# Altium PCB S6.PcbDoc (part 14 of 14)
Units mil, origin at the board's own origin, x right, y up, seen from the top; angles counter-clockwise.
Board outline 5250 x 2929.55 mil, 6 copper layers (Top Layer, Mid-Layer 2, Mid-Layer 4, Mid-Layer 3, Mid-Layer 1, Bottom Layer); 345 components, 365 nets, 2233 pads, 960 vias.
Unrouted connection lines stored in the file: 1.
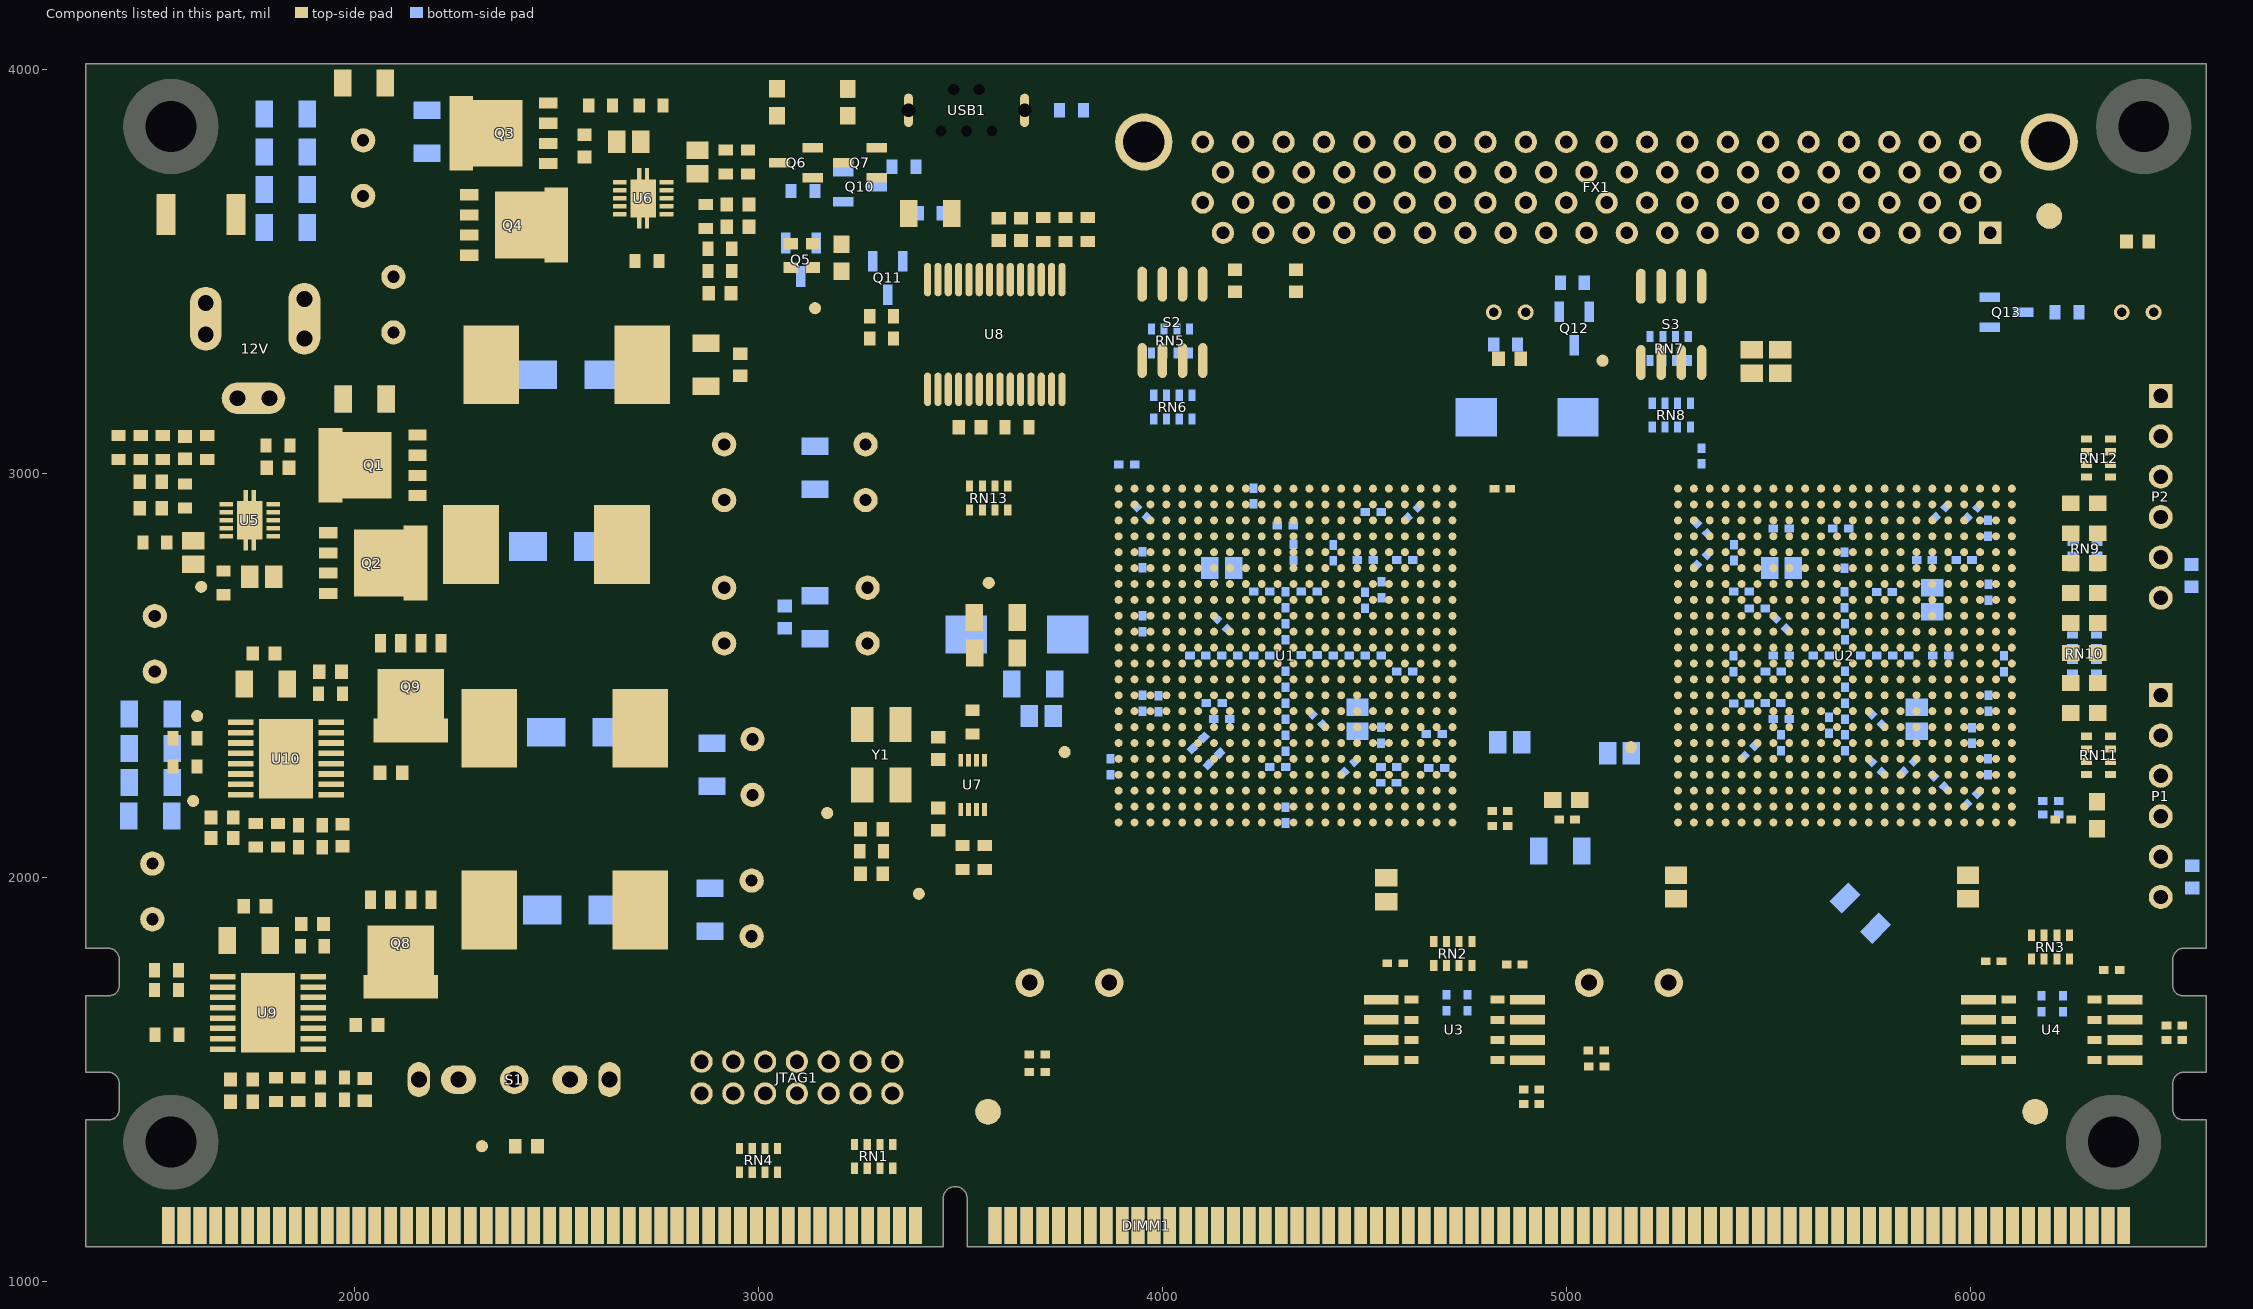
[diagram p18: the components of this part, seen from the top]

## Via types
v1: diameter 19.68, hole 11.81, Top Layer to Bottom Layer, tented both sides, 469 vias
v2: diameter 32, hole 18, Top Layer to Bottom Layer, tented both sides, 257 vias
v3: diameter 22, hole 12, Top Layer to Bottom Layer, tented both sides, 185 vias
v4: diameter 25.59, hole 12.99, Top Layer to Bottom Layer, tented bottom, 16 vias
v5: diameter 50, hole 28, Top Layer to Bottom Layer, tented both sides, 15 vias
v6: diameter 23.62, hole 11.81, Top Layer to Bottom Layer, tented bottom, 10 vias
v7: diameter 20, hole 12, Top Layer to Bottom Layer, tented both sides, 5 vias
v8: diameter 21.65, hole 11.81, Top Layer to Bottom Layer, tented both sides, 2 vias
v9: diameter 39.37, hole 39.37, Top Layer to Bottom Layer, 1 vias

## Nets (pads, with @x,y where several pads share a name; then routed paths per layer and width w, separated by ;. In a path a pad name is that pad's centre, name@x,y a point inside that pad or via, vN(x,y) a via of type N, cw(c..) or ccw(c..) an arc to the next point about the centre after c; other vN are vias at no path point) (continued)
pads on no net: FX1.37 JTAG1.12 JTAG1.14 M2.0 M3.0 M4.0 M6.0 M7.0 M8.0 S1.3 S1.4 S1.5 U1.A2 U1.A10 U1.A14 U1.A15 U1.AA21 U1.AB17 U1.AB19 U1.AB21 U1.B3 U1.B10 U1.B14 U1.B16 U1.B20 U1.C1 U1.C3 U1.C4 U1.C10 U1.C12 U1.C14 U1.C15 U1.C16 U1.C17 U1.C19 U1.D3 U1.D5 U1.D7 U1.D8 U1.D9 U1.D10 U1.D11 U1.D12 U1.D13 U1.D14 U1.D15 U1.D17 U1.E3 U1.E4 U1.E5 U1.E6 U1.E8 U1.E10 U1.E12 U1.E14 U1.E16 U1.F2 U1.F3 U1.F5 U1.F7 U1.F8 U1.F9 U1.F10 U1.F12 U1.F13 U1.F14 U1.F15 U1.F16 U1.F17 U1.F18 U1.F19 U1.G3 U1.G4 U1.G6 U1.G7 U1.G8 U1.G9 U1.G11 U1.G13 U1.G16 U1.G17 U1.H2 U1.H3 U1.H4 U1.H5 U1.H6 U1.H8 U1.H10 U1.H11 U1.H12 U1.H13 U1.H14 U1.H16 U1.H17 U1.H18 U1.H19 U1.J3 U1.J4 U1.J6 U1.J7 U1.J16 U1.J17 U1.K1 U1.K2 U1.K3 U1.K4 U1.K5 U1.K6 U1.K7 U1.K8 U1.K16 U1.K17 U1.K18 U1.L1 U1.L3 U1.L4 U1.L6 U1.L15 U1.L17 U1.M1 U1.M2 U1.M3 U1.M4 U1.M5 U1.M6 U1.M7 U1.M8 U1.M16 U1.M17 U1.M18 U1.M19 U1.N1 U1.N3 U1.N4 U1.N6 U1.N7 U1.N16 U1.N19 U1.P1 U1.P2 U1.P3 U1.P4 U1.P5 U1.P6 U1.P7 U1.P8 U1.P15 U1.P16 U1.P17 U1.P18 U1.R1 U1.R3 U1.R4 U1.R7 U1.R8 U1.R9 U1.R11 U1.R13 U1.R15 U1.R16 U1.R17 U1.R19 U1.T1 U1.T2 U1.T3 U1.T4 U1.T7 U1.T8 U1.T10 U1.T11 U1.T12 U1.T14 U1.T15 U1.T16 U1.T17 U1.T18 U1.T19 U1.T20 U1.U1 U1.U3 U1.U4 U1.U6 U1.U8 U1.U9 U1.U10 U1.U12 U1.U16 U1.U17 U1.U19 U1.V1 U1.V2 U1.V3 U1.V5 U1.V7 U1.V9 U1.V11 U1.V13 U1.V15 U1.V17 U1.V18 U1.V19 U1.V20 U1.W1 U1.W3 U1.W8 U1.W11 U1.W13 U1.W15 U1.W17 U1.W18 U1.Y1 U1.Y2 U1.Y16 U1.Y17 U1.Y18 U1.Y19 U1.Y20 U2.A10 U2.A14 U2.A15 U2.A20 U2.A21 U2.AA21 U2.AB17 U2.AB19 U2.AB21 U2.B10 U2.B14 U2.B16 U2.B20 U2.C4 U2.C10 U2.C12 U2.C14 U2.C15 U2.C16 U2.C17 U2.C19 U2.C20 U2.C22 U2.D3 U2.D5 U2.D7 U2.D8 U2.D9 U2.D10 U2.D11 U2.D12 U2.D13 U2.D14 U2.D15 U2.D17 U2.D19 U2.D20 U2.E4 U2.E5 U2.E6 U2.E8 U2.E10 U2.E12 U2.E14 U2.E16 U2.E20 U2.E22 U2.F3 U2.F5 U2.F7 U2.F8 U2.F9 U2.F10 U2.F12 U2.F13 U2.F14 U2.F15 U2.F16 U2.F17 U2.F18 U2.F19 U2.F20 U2.F21 U2.F22 U2.G4 U2.G6 U2.G7 U2.G8 U2.G9 U2.G11 U2.G13 U2.G16 U2.G17 U2.G19 U2.G20 U2.G22 U2.H5 U2.H6 U2.H8 U2.H10 U2.H11 U2.H12 U2.H13 U2.H14 U2.H16 U2.H17 U2.H18 U2.H19 U2.H20 U2.H21 U2.H22 U2.J3 U2.J6 U2.J7 U2.J16 U2.J17 U2.J19 U2.J20 U2.J22 U2.K4 U2.K5 U2.K6 U2.K7 U2.K8 U2.K16 U2.K17 U2.K18 U2.K19 U2.K20 U2.K21 U2.K22 U2.L6 U2.L15 U2.L17 U2.L19 U2.L20 U2.L22 U2.M4 U2.M5 U2.M6 U2.M7 U2.M8 U2.M16 U2.M17 U2.M18 U2.M19 U2.M20 U2.M21 U2.M22 U2.N6 U2.N7 U2.N16 U2.N19 U2.N20 U2.N22 U2.P4 U2.P5 U2.P6 U2.P7 U2.P8 U2.P15 U2.P16 U2.P17 U2.P18 U2.P19 U2.P20 U2.P21 U2.P22 U2.R4 U2.R7 U2.R8 U2.R9 U2.R11 U2.R13 U2.R15 U2.R16 U2.R17 U2.R19 U2.R20 U2.R22 U2.T7 U2.T8 U2.T10 U2.T11 U2.T12 U2.T14 U2.T15 U2.T16 U2.T17 U2.T18 U2.T19 U2.T20 U2.T21 U2.T22 U2.U6 U2.U8 U2.U9 U2.U10 U2.U12 U2.U16 U2.U17 U2.U19 U2.U20 U2.U22 U2.V5 U2.V7 U2.V9 U2.V11 U2.V13 U2.V15 U2.V17 U2.V18 U2.V19 U2.V20 U2.V21 U2.V22 U2.W8 U2.W11 U2.W13 U2.W15 U2.W17 U2.W18 U2.W20 U2.W22 U2.Y16 U2.Y17 U2.Y18 U2.Y19 U2.Y20 U8.2 U8.6 U8.8 U8.9 U8.12 U8.13 U8.14 U8.21 U8.22 U8.23 U8.24 U8.27 U8.28 U10.3
copper on no net:
  other v9: 2898.15,1505

## Polygon pours and split planes (outlines as drawn)
GND on Mid-Layer 1 "k" (solid, remove dead copper, pour order 169): 1334.39,4015 1334.39,1085.45 6584.39,1085.45 6584.39,4015 1334.39,4015
VCCINT1V2_B on Mid-Layer 2 "l" (solid, remove dead copper, pour order 162): 2580,1635 2767,1635 2771,1631 2765,1625 2765,1233 3484.48,1233 3516.48,1201 3516.48,1085.45 6584.39,1085.45 6584.39,4015 2530,4015 2530,2119 2581,2068 2581,1634
VCC12V on Mid-Layer 2 "n" (solid, remove dead copper, pour order 160): 1334.39,4015 1334.39,1085.45 2118.45,1085.45 2131,1098 2128.68,1100.32 2128.68,1210.32 2149.37,1231 2747,1231 2747,1617 2566,1617 2565,1618 2565,2047 2513,2099 2509,2103 2509,4015 1334.39,4015
VCCINT1V2_A on Mid-Layer 2 "m" (solid, remove dead copper, pour order 161): 2845.88,2804.46 2773.76,2732.34 2773.76,2632.72 2773.76,2551.25 2842.32,2482.7 3374.3,2482.7 3540,2317 3571,2286 3866,2286 3896.39,2255.61 3956.33,2195.67 4226.26,2195.67 4580.59,2195.67 4659.33,2274.41 4659.33,2471.26 4659.33,2825.59 4619.96,2864.96 3609.96,2864.96 3549.46,2804.46 2845.88,2804.46
VCC3V3 on Mid-Layer 4 "q" (solid, remove dead copper, pour order 164): 2581,2071 2581,1635 2583,1633 2767,1633 2767,1232 3490.01,1232 3516.48,1205.53 3516.48,1085.45 6584.39,1085.45 6584.39,1858 6419,1858 6143,2134 6068,2134 5986,2216 5830,2372 5789,2372 5748,2372 5670,2294 5632,2294 5592,2334 5592,2373 5552,2373 5513,2334 5513,2295 5473,2255 5355,2255 5315,2215 5276,2215 5170,2109 5114,2109 4748,2109 4680,2177 4641,2216 4601,2216 4444,2373 4404,2373 4364,2373 4325,2334 4325,2333 4286,2294 4246,2294 4207,2333 4207,2374 4167,2374 4128,2335 4128,2295 4128,2294 4089,2255 4009,2255 3969,2255 3931,2217 3930,2216 3892,2216 3607,2216 3573,2182 3463,2072 2581,2072
VREF on Mid-Layer 4 "o" (solid, remove dead copper, pour order 165): 2540,4015 2540,2113 2581,2072 3391,1262 3512,1262 3516.48,1257.52 3516.48,1085.45 6569.1,1085.45 6576.74,1093.1 6584.39,1100.74 6584.39,4015 4247,4015 4250,4012 4250,3596.61 2540.39,3596.61 2540,3597
VCC12V on Mid-Layer 4 "p" (solid, remove dead copper, pour order 163): 1334.39,1085.45 2117.45,1085.45 2131,1099 2128.68,1101.32 2128.68,1210.32 2148.37,1230 2747,1230 2747,1616 2570,1616 2566,1620 2566,2047 2511,2102 2511,3607 2529,3625 4153.39,3625 4214,3625 4214,4014 4213,4015 1334.39,4015 1334.39,1085.45
GND on Top Layer "14" (solid, pour order 121): 2684,3852 2684,3487 2709,3487 2709,3557 2744,3592 2744,3877 2709,3877 2684,3852
NetC10_1 on Top Layer "11" (solid, remove dead copper, pour order 124): 2000,2880 2080,2880 2130,2930 2130,3065 2400,3065 2435,3030 2435,2720 2400,2685 2000,2685 2000,2880
NetC153_2 on Top Layer "15" (solid, remove dead copper, pour order 122): 1865,1735 1930,1735 1945,1735 1970,1760 1970,1880 2210,1880 2240,1910 2240,2065 2300,2125 2465,2125 2465,1735 2425,1695 1865,1695 1865,1735
GND on Top Layer "y" (solid, remove dead copper, pour order 123): 1865,1630 1965,1630 1965,1610 1970,1605 2025,1605 2035,1615 2035,1655 2075,1655 2100,1630 2100,1530 2010,1530 1995,1545 1955,1545 1950,1550 1950,1590 1945,1595 1865,1595 1865,1630
GND on Top Layer "13" (solid, pour order 125): 1720,1565 1850,1565 1850,1595 1851.02,1596.02 1934.7,1596.02 1934.7,1631.61 1931.32,1635 1855,1635 1855,1770 1815,1810 1820,1815 1820,1990 1770,1990 1770,1810 1720,1760 1720,1565
GND on Top Layer "12" (solid, remove dead copper, pour order 126): 1910,2265 1970,2265 1985,2250 1990,2255 2025,2255 2030,2255 2030,2225 2085,2225 2100,2240 2100,2280 2125,2305 2180,2305 2235,2305 2235,2195 2235,2120 2210,2095 2075,2095 2065,2105 2065,2165 2005,2165 2000,2170 2000,2215 1990,2225 1960,2225 1910,2225 1910,2265
NetC164_1 on Top Layer "t" (solid, remove dead copper, pour order 127): 1910,2365 1990,2365 2000,2375 2025,2400 2025,2515 2450,2515 2480,2485 2480,2165 2300,2165 2265,2200 2265,2320 2250,2335 2230,2335 2125,2335 2100,2310 2085,2325 1910,2325 1910,2365
GND on Top Layer "s" (solid, remove dead copper, pour order 128): 1765,2200 1765,2445 1805,2485 1865,2485 1875,2485 1875,2420 1895,2400 1895,2200 1765,2200
NetC154_1 on Top Layer "x" (solid, remove dead copper, pour order 129): 1712,1810 1745,1843 1745,1991 1486,1991 1453,1958 1453,1886 1471,1868 1499,1840 1582,1840 1612,1810 1712,1810
VCCINT1V2_A on Top Layer "w" (solid, remove dead copper, pour order 135): 2540,2920 2730,2920 2750,2900 2850,2800 3380,2800 3380,2500 2840,2500 2720,2620 2540,2620 2540,2920
VREF on Top Layer "v" (solid, remove dead copper, pour order 136): 2580,2510 2750,2510 2820,2440 3150,2440 3150,2100 2800,2100 2730,2170 2580,2170 2580,2510
VCC3V3 on Top Layer "r" (solid, remove dead copper, pour order 137): 2580,2070 2980,2070 3100,1950 3130,1920 3130,1710 2580,1710 2580,2070
GND on Top Layer "z" (solid, pour order 138): 1680,3112 1680,3013 1710,2983 1710,2931 1710,2725 1718,2717 1763,2717 1764,2718 1766,2720 1766,2775 1766,2789 1771,2794 1771,2973 1753,2991 1753,3112 1680,3112
GND on Top Layer "u" (solid, remove dead copper, pour order 120): 2830,3370 2830,3300 2850,3280 3040,3280 3090,3280 3090,3370 2830,3370
GND on Top Layer "17" (solid, remove dead copper, pour order 149): 3440,2800 3440,2550 3510,2480 3570,2480 3570,2760 3530,2800 3440,2800
NetC25_1 on Top Layer "18" (solid, remove dead copper, pour order 150): 2453,3886 2453,3752 2414,3713 2347,3713 2347,3454 2265,3372 2265,3102 2513,3102 2513,3461 2559,3507 2559,3687 2533,3713 2533,3865 2512,3886 2453,3886
VCCINT1V2_B on Top Layer "19" (solid, remove dead copper, pour order 151): 2570,3475 2570,3158 2874,2854 3379,2854 3379,3192 3195,3376 2867,3376 2767,3476 2570,3476
Net12V_1 on Top Layer "16" (solid, remove dead copper, pour order 152): 1911,3269 1828,3269 1738,3359 1738,3457 1678,3517 1678,3699 1750,3699 1910,3539 1910,3270
NetC6_1 on Top Layer "20" (solid, remove dead copper, pour order 156): 1938,3498 1938,3309 1865,3236 1864,3235 1864,3170 1864,3124 1903,3085 1903,2926 2093,2926 2106,2939 2106,3108 2094,3120 2046,3120 2021,3145 2021,3232 2069,3280 2150,3280 2184,3314 2184,3450 2136,3498 1938,3498
NetC21_1 on Top Layer "21" (solid, remove dead copper, pour order 158): 2052,4003 2021,3972 2021,3910 1927,3816 1927,3737 2060,3604 2159,3604 2159,3683 2224,3748 2416,3748 2430,3762 2430,3987 2414,4003 2052,4003
NetC154_1 on Bottom Layer "9" (solid, remove dead copper, pour order 130): 1522,2190 1485,2153 1485,1991 1453,1959 1453,1886 1498,1841 1643,1841 1643,2013 1588,2068 1575,2081 1575,2190 1521,2190
NetC153_2 on Bottom Layer "8" (solid, remove dead copper, pour order 131): 2512,2119 2512,1779 2392,1659 2055,1659 2018,1696 2018,1916 2017,1917 2209,1917 2240,1948 2240,2057 2302,2119 2512,2119
NetC164_1 on Bottom Layer "1" (solid, remove dead copper, pour order 132): 2520,2520 2520,2170 2300,2170 2250,2220 2220,2250 2220,2520 2520,2520
NetC10_1 on Bottom Layer "6" (solid, remove dead copper, pour order 133): 2190,3060 2190,2930 2180,2920 2170,2910 2030,2910 2030,2690 2460,2690 2490,2720 2490,3060 2190,3060
GND on Bottom Layer "3" (solid, remove dead copper, pour order 134): 2570,3460 2570,3080 2540,3050 2540,2570 2570,2540 2580,2530 2580,2310 2580,1710 2680,1710 2680,2590 2650,2620 2640,2630 2640,3030 2670,3060 2670,3460 2570,3460
GND on Bottom Layer "7" (solid, remove dead copper, pour order 139): 2640,3100 2710,3030 3380,3030 3380,3190 3310,3260 3195,3375 2640,3375 2640,3100
GND on Bottom Layer "5" (solid, remove dead copper, pour order 140): 2635,2925 2760,2800 3380,2800 3380,2665 2755,2665 2680,2590 2675,2585 2635,2585 2635,2920
GND on Bottom Layer "4" (solid, remove dead copper, pour order 141): 2660,2530 2750,2440 3150,2440 3150,2300 2665,2300 2660,2305 2660,2530
GND on Bottom Layer "2" (solid, remove dead copper, pour order 142): 2650,2090 3150,2090 3150,1935 2650,1935 2650,2090
VCCINT1V2_B on Bottom Layer "h" (solid, remove dead copper, pour order 143): 2770,3000 3380,3000 3380,2890 2840,2890 2770,2960 2770,3000
VCCINT1V2_A on Bottom Layer "f" (solid, remove dead copper, pour order 144): 2765,2630 3380,2630 3380,2500 2840,2500 2765,2575 2765,2630
VREF on Bottom Layer "c" (solid, remove dead copper, pour order 145): 2730,2265 2730,2170 2785,2115 3150,2115 3150,2260 3145,2265 2735,2265
VCC3V3 on Bottom Layer "a" (solid, remove dead copper, pour order 146): 2730,1895 3150,1895 3150,1710 2795,1710 2730,1775 2730,1895
VCCINT1V2_A on Bottom Layer "d" (solid, remove dead copper, pour order 147): 3700,2720 3700,2460 3710,2450 3710,2350 3820,2350 3850,2380 3860,2390 3860,2720 3700,2720
GND on Bottom Layer "b" (solid, remove dead copper, pour order 148): 3370,2665 3400,2665 3415,2650 3440,2625 3440,2550 3620,2370 3690,2370 3690,2415 3655,2450 3655,2675 3530,2800 3370,2800 3370,2665
VCC12V on Bottom Layer "i" (solid, remove dead copper, pour order 153): 1800,3580 1560,3580 1560,3220 1360,3220 1360,3700 1620,3700 1700,3780 1700,3940 1800,3940 1800,3580
NetC21_1 on Bottom Layer "g" (solid, remove dead copper, pour order 154): 1859,3833 1944,3833 1974,3863 2049,3938 2049,4002 2100,4002 2127,3975 2127,3839 2144,3822 2150,3816 2215,3816 2215,3654 2164,3603 2060,3603 1908,3755 1859,3755 1858,3756 1859,3757 1859,3833
NetC6_1 on Bottom Layer "e" (solid, remove dead copper, pour order 155): 1857,3647 1963,3647 2024,3586 2184,3426 2184,3216 2184,3207 2124,3147 1891,3147 1864,3174 1864,3236 1930,3302 1938,3310 1938,3500 1894,3544 1857,3544 1857,3647
NetC25_1 on Bottom Layer "j" (solid, remove dead copper, pour order 171): 2247,3103 2247,3367 2334,3454 2342,3462 2342,3509 2475,3509 2515,3469 2527,3457 2527,3143 2527,3113 2517,3103 2247,3103

## Keep-outs
Keep-Out Layer:
  the board outline again, w5

## Other copper
Top Layer:
  rectangle net GND: 2191,3432 2245,3582
  rectangle net GND: 2191,3577 2314,3717
  rectangle net GND: 1870,2735 1960,2895
  rectangle net GND: 2070,1920 2210,2065
  rectangle net NetC165_1: 1465,2450 1750,2585
  rectangle net GND: 2100,2555 2400,2655
  rectangle net VCC12V: 1353,3216 1556,3696
Mid-Layer 2:
  pour cut-out: 2815,3465 2845,3465 2845,3430 2815,3430
Bottom Layer:
  rectangle net GND: 1668,1421 1938,1946
  rectangle net GND: 1693,2003 1973,2605
  rectangle net GND: 1622,2686 1912,2922
  rectangle net GND: 2675,3605 3000,3887
  rectangle net VCC12V: 1350,2120 1465,2445
  rectangle net NetC165_1: 1465,2460 1650,2585
  rectangle net GND: 1540,2200 1670,2350
  rectangle net GND: 4725,3090 4880,3235
  rectangle net GND: 4675,3090 4725,3200
  rectangle net VCCINT1V2_B: 4945,3090 5150,3230
  rectangle net GND: 4905,1941 4979,2106
  rectangle net VCCINT1V2_B: 5013,1941 5129,2105
  text "DESIGN BY ngzhang" at 6069,3919 h60

## Silkscreen, mask and mechanical layers (free items; w line width, h text height)
Top Overlay:
  lines w1: 1448,3268 1448,3345
  lines w10: 3753.01,2274.61 3753.01,1999.02 4495,1999.02 ; 3753.01,2347 3753.01,3102 4855.36,3102 ; 4618.25,1999.02 4856,1999.02 4856,2107 ; 4856,2187 4856,2937 ; 4856,2986 4856,3101 ; 5138.01,3101.38 5138.01,1999.02 5221,1999.02 ; 5138,3102 6240.36,3102 ; 5321,1999 5949,1999.02 ; 6042,1999.02 6240.37,1999.02 ; 6241,1998.64 6241,2122 ; 6241,2168 6241,2365 ; 6241,2976 6241,3101
  text "LED1" at 6123,3312 h40
  text "-->" at 6157,3298 h40 r270
  text "LED8" at 6123,3123 h40
  text "Icarus" at 3962,1535 h120
  text "DUAL Spartan6" at 5255,1518 h65
  text "Development Platform" at 5116,1415 h65
  text "ON" at 2140,1310 h40
  text "CAUTION: DO NOT INSERT TO A MEMORY SLOT!!!" at 3738,1253 h65
Bottom Overlay:
  circle w8: c1447,3230 r38
  circle w8: c1446,3524 r38
  circle w10: c1448,3382.49 r16.51
  circle w10: c1448,3382.43 r6.57
  region: 2306,1592 2306,3048.69 1794.19,3048.69 1794.19,1592
  lines w8: 1412,3524 1481,3524 ; 1422.57,3411.11 ccw(c1447,3382) 1471.43,3411.11 ; 1447,3405 1447,3484 ; 1447,3490 1447,3559 ; 1448,3212 1448,3249 ; 1448,3272 1448,3341
  text "S/N:" at 1838,1382 h60 r270
  text "VER:1.0a" at 2420,1261 h60
  text "CAUTION: DO NOT INSERT TO A MEMORY SLOT!!!" at 5727,1254 h65
Bottom Solder:
  text "DESIGN BY ngzhang" at 6069,3919 h60

## Text inside footprints (layer, text, board x,y; h text height)
12V: Mechanical 1 "Alert PCB fab to slot details" at 1347.26,3622.82 h11.81; Mechanical 1 "Assign keep-out area to slot" at 1347.26,3642.5 h11.81; Mechanical 1 "Mech 1 - Slot cut-out" at 1347.26,3603.13 h11.81; Mechanical 1 "Mech 2 - Clearance, move to internal plane if present" at 1347.26,3583.44 h11.81
U5: Top Overlay "1" at 1712,2942 h50 r90
U6: Top Overlay "1" at 2742,3625 h50 r270
U9: Top Overlay "1" at 1707,1792 h50 r90
U10: Top Overlay "1" at 1752,2422 h50 r90